# Altium PCB 磁导航.PcbDoc (part 1 of 3)
Units mm, origin at the board's own origin, x right, y up, seen from the top; angles counter-clockwise.
Board outline 190 x 34 mm, 2 copper layers (Top Layer, Bottom Layer); 294 components, 233 nets, 993 pads, 221 vias.
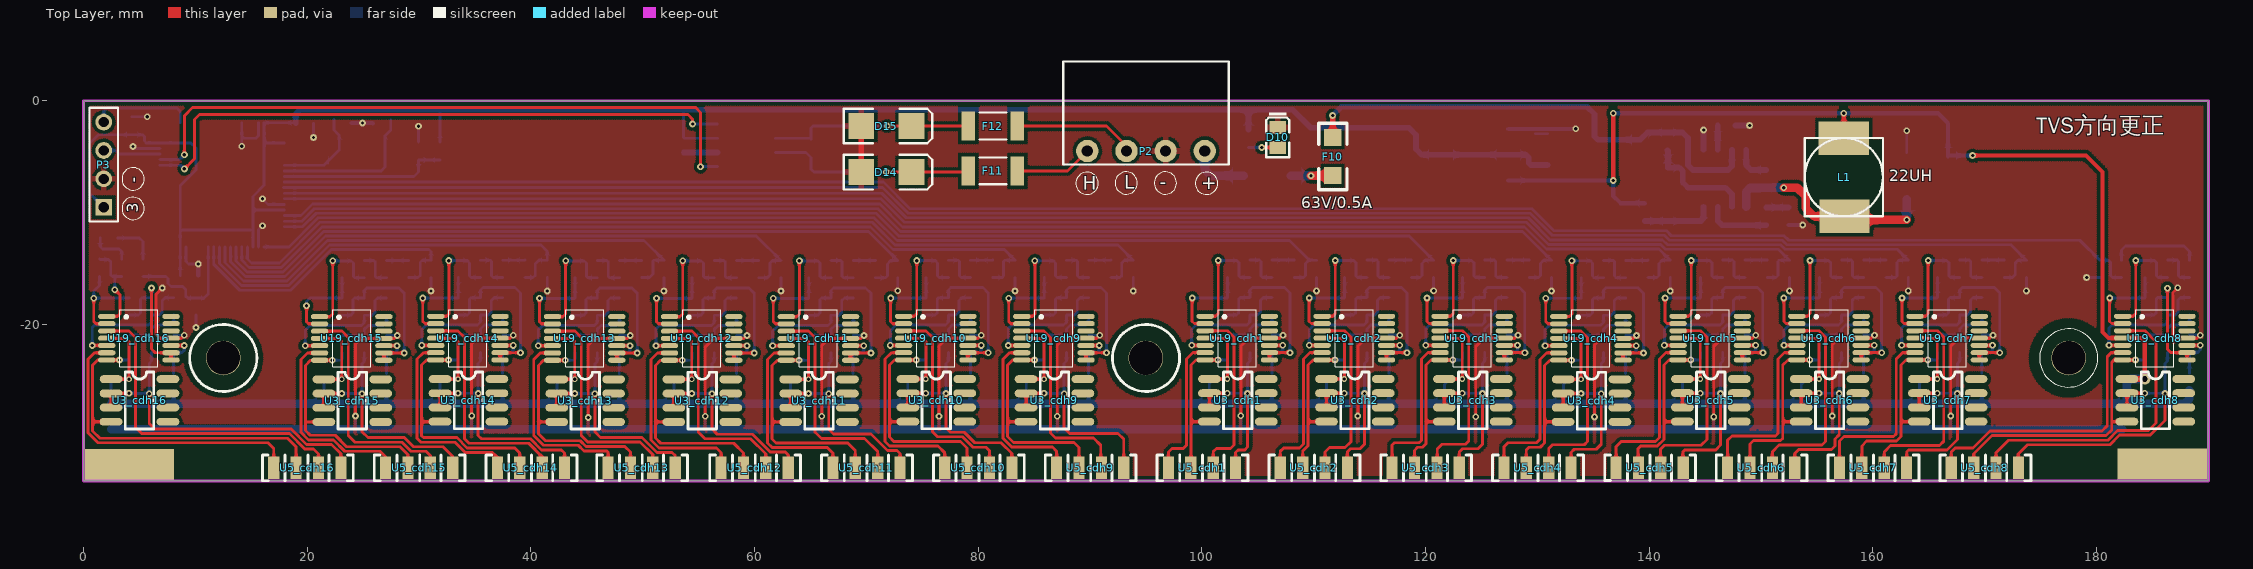
[diagram p0: Top Layer view]
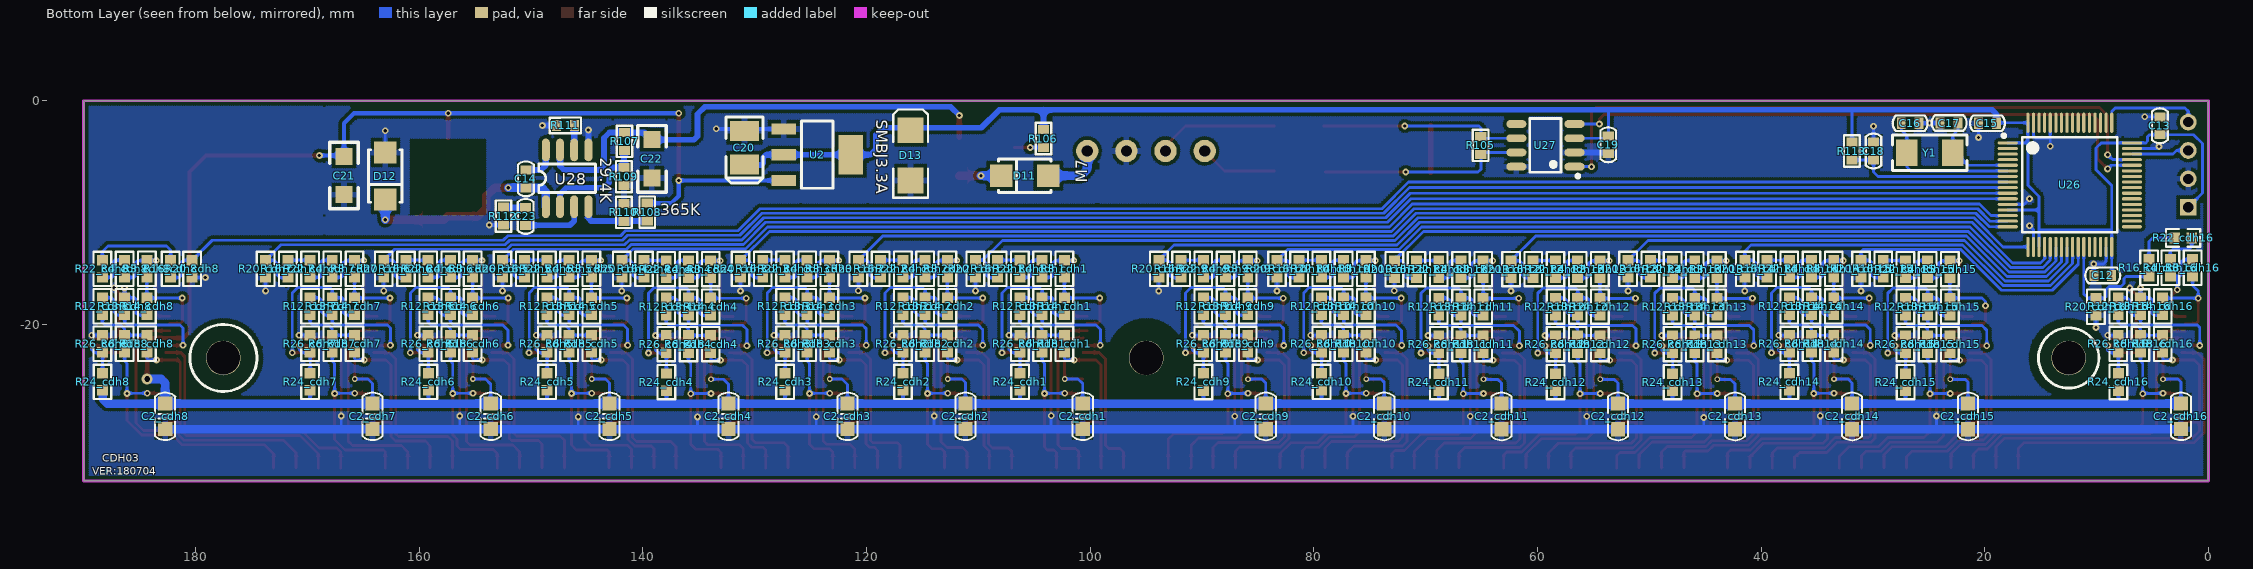
[diagram p1: Bottom Layer view, seen from below]
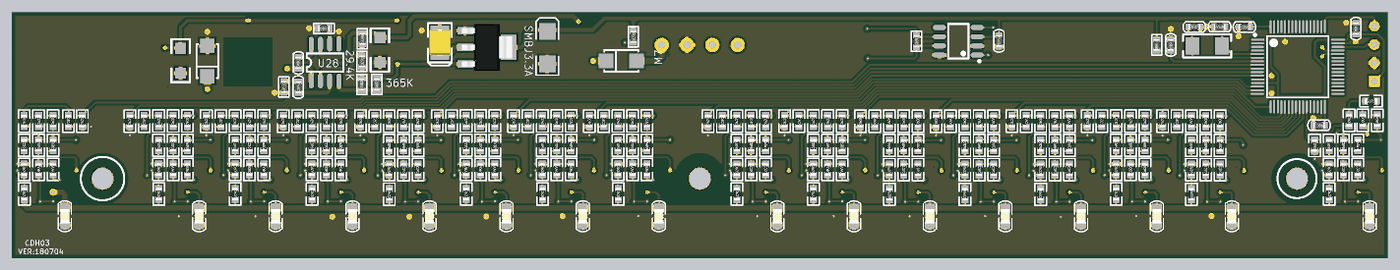
[diagram p4: 3D render of the assembled board from below, using the file's embedded part models]

## Layer stack, top to bottom
Top Layer: signal copper 0.0356
Dielectric: dielectric 0.32, FR-4, Dk 4.8
Bottom Layer: signal copper 0.0356

## Board outline
0,-34 0,0 190,0 190,-34

## Design rules (kind name [scope] priority, off if disabled: settings)
Clearance luosi [HasPad('Free-2')or HasPad('Free-3') vs InPolygon] p1: gap=2
Clearance inpolog [InPolygon] p2: gap=0.3
Clearance Clearance_1 [All] p3: gap=0.152
HoleSize [All] p1: absolutevalues=TRUE maxlimit=6 minlimit=0.025 maxpercent=80.000 minpercent=20.000
MinimumSolderMaskSliver [All] p1: minsoldermaskwidth=0
PolygonConnect PolygonConnect_1 [IsVia] p1: connectstyle=Direct reliefconductorwidth=0.254 reliefentries=4 polygonreliefangle="90 Angle"
PolygonConnect [IsPad] p2: connectstyle=Relief reliefconductorwidth=0.508 reliefentries=4 polygonreliefangle="90 Angle"
RoutingVias [All] p1: holewidth=0.711 width=1.27 viastyle="Through Hole" minholewidth=0.711 minwidth=1.27 maxholewidth=0.711 maxwidth=1.27
SilkToSilkClearance [All] p1: silktosilkclearance=-10
SilkscreenOverComponentPads [IsPad] p1: minsilkscreentomaskgap=-10
SolderMaskExpansion [All] p1: expansion=0.102
Width [All] p1: maxlimit=1.27 minlimit=0.152 preferedwidth=0.254
24 further rules are at their usual default settings.

## Classes and differential pairs
net class CDH[1..16]: CDH1 CDH2 CDH3 CDH4 CDH5 CDH6 CDH7 CDH8 CDH9 CDH10 CDH11 CDH12 CDH13 CDH14 CDH15 CDH16
component class cdh16: C2_cdh16 R3_cdh16 R4_cdh16 R6_cdh16 R12_cdh16 R13_cdh16 R14_cdh16 R16_cdh16 R18_cdh16 R20_cdh16 R22_cdh16 R24_cdh16 R26_cdh16 U3_cdh16 U5_cdh16 U19_cdh16
component class cdh15: C2_cdh15 R3_cdh15 R4_cdh15 R6_cdh15 R12_cdh15 R13_cdh15 R14_cdh15 R16_cdh15 R18_cdh15 R20_cdh15 R22_cdh15 R24_cdh15 R26_cdh15 U3_cdh15 U5_cdh15 U19_cdh15
component class cdh14: C2_cdh14 R3_cdh14 R4_cdh14 R6_cdh14 R12_cdh14 R13_cdh14 R14_cdh14 R16_cdh14 R18_cdh14 R20_cdh14 R22_cdh14 R24_cdh14 R26_cdh14 U3_cdh14 U5_cdh14 U19_cdh14
component class cdh13: C2_cdh13 R3_cdh13 R4_cdh13 R6_cdh13 R12_cdh13 R13_cdh13 R14_cdh13 R16_cdh13 R18_cdh13 R20_cdh13 R22_cdh13 R24_cdh13 R26_cdh13 U3_cdh13 U5_cdh13 U19_cdh13
component class cdh12: C2_cdh12 R3_cdh12 R4_cdh12 R6_cdh12 R12_cdh12 R13_cdh12 R14_cdh12 R16_cdh12 R18_cdh12 R20_cdh12 R22_cdh12 R24_cdh12 R26_cdh12 U3_cdh12 U5_cdh12 U19_cdh12
component class cdh11: C2_cdh11 R3_cdh11 R4_cdh11 R6_cdh11 R12_cdh11 R13_cdh11 R14_cdh11 R16_cdh11 R18_cdh11 R20_cdh11 R22_cdh11 R24_cdh11 R26_cdh11 U3_cdh11 U5_cdh11 U19_cdh11
component class cdh10: C2_cdh10 R3_cdh10 R4_cdh10 R6_cdh10 R12_cdh10 R13_cdh10 R14_cdh10 R16_cdh10 R18_cdh10 R20_cdh10 R22_cdh10 R24_cdh10 R26_cdh10 U3_cdh10 U5_cdh10 U19_cdh10
component class cdh9: C2_cdh9 R3_cdh9 R4_cdh9 R6_cdh9 R12_cdh9 R13_cdh9 R14_cdh9 R16_cdh9 R18_cdh9 R20_cdh9 R22_cdh9 R24_cdh9 R26_cdh9 U3_cdh9 U5_cdh9 U19_cdh9
component class cdh6: C2_cdh6 R3_cdh6 R4_cdh6 R6_cdh6 R12_cdh6 R13_cdh6 R14_cdh6 R16_cdh6 R18_cdh6 R20_cdh6 R22_cdh6 R24_cdh6 R26_cdh6 U3_cdh6 U5_cdh6 U19_cdh6
component class cdh5: C2_cdh5 R3_cdh5 R4_cdh5 R6_cdh5 R12_cdh5 R13_cdh5 R14_cdh5 R16_cdh5 R18_cdh5 R20_cdh5 R22_cdh5 R24_cdh5 R26_cdh5 U3_cdh5 U5_cdh5 U19_cdh5
component class cdh3: C2_cdh3 R3_cdh3 R4_cdh3 R6_cdh3 R12_cdh3 R13_cdh3 R14_cdh3 R16_cdh3 R18_cdh3 R20_cdh3 R22_cdh3 R24_cdh3 R26_cdh3 U3_cdh3 U5_cdh3 U19_cdh3
component class cdh2: C2_cdh2 R3_cdh2 R4_cdh2 R6_cdh2 R12_cdh2 R13_cdh2 R14_cdh2 R16_cdh2 R18_cdh2 R20_cdh2 R22_cdh2 R24_cdh2 R26_cdh2 U3_cdh2 U5_cdh2 U19_cdh2
component class cdh8: C2_cdh8 R3_cdh8 R4_cdh8 R6_cdh8 R12_cdh8 R13_cdh8 R14_cdh8 R16_cdh8 R18_cdh8 R20_cdh8 R22_cdh8 R24_cdh8 R26_cdh8 U3_cdh8 U5_cdh8 U19_cdh8
component class cdh7: C2_cdh7 R3_cdh7 R4_cdh7 R6_cdh7 R12_cdh7 R13_cdh7 R14_cdh7 R16_cdh7 R18_cdh7 R20_cdh7 R22_cdh7 R24_cdh7 R26_cdh7 U3_cdh7 U5_cdh7 U19_cdh7
component class cdh4: C2_cdh4 R3_cdh4 R4_cdh4 R6_cdh4 R12_cdh4 R13_cdh4 R14_cdh4 R16_cdh4 R18_cdh4 R20_cdh4 R22_cdh4 R24_cdh4 R26_cdh4 U3_cdh4 U5_cdh4 U19_cdh4
component class cdh1: C2_cdh1 R3_cdh1 R4_cdh1 R6_cdh1 R12_cdh1 R13_cdh1 R14_cdh1 R16_cdh1 R18_cdh1 R20_cdh1 R22_cdh1 R24_cdh1 R26_cdh1 U3_cdh1 U5_cdh1 U19_cdh1
channel class cdh: "All Components" "Bottom Side Components" cdh1 cdh2 cdh3 cdh4 cdh5 cdh6 cdh7 cdh8 cdh9 cdh10 cdh11 cdh12 cdh13 cdh14 cdh15 cdh16 "Inside Board Components" "Outside Board Components" "Top Side Components" 总图
component class 总图: C12 C13 C14 C15 C16 C17 C18 C19 C20 C21 C22 C23 D10 D11 D12 D13 D14 D15 F10 F11 F12 L1 P2 P3 R105 R106 R107 R108 R109 R110 R111 R112 R113 U2 U26 U27 U28 Y1

## Components (designator, comment, footprint, x,y, rotation, side; value= is the part's Value field where it differs from the comment)
C2_cdh1 "0.1uF" C0805 100.66,-28.219 r90 bottom (schematic designator C2)
C2_cdh2 "0.1uF" C0805 111.15,-28.219 r90 bottom (schematic designator C2)
C2_cdh3 "0.1uF" C0805 121.691,-28.219 r90 bottom (schematic designator C2)
C2_cdh4 "0.1uF" C0805 132.334,-28.219 r90 bottom (schematic designator C2)
C2_cdh5 "0.1uF" C0805 142.977,-28.219 r90 bottom (schematic designator C2)
C2_cdh6 "0.1uF" C0805 153.594,-28.219 r90 bottom (schematic designator C2)
C2_cdh7 "0.1uF" C0805 164.16,-28.219 r90 bottom (schematic designator C2)
C2_cdh8 "0.1uF" C0805 182.702,-28.219 r90 bottom (schematic designator C2)
C2_cdh9 "0.1uF" C0805 84.291,-28.224 r90 bottom (schematic designator C2)
C2_cdh10 "0.1uF" C0805 73.699,-28.224 r90 bottom (schematic designator C2)
C2_cdh11 "0.1uF" C0805 63.209,-28.224 r90 bottom (schematic designator C2)
C2_cdh12 "0.1uF" C0805 52.795,-28.224 r90 bottom (schematic designator C2)
C2_cdh13 "0.1uF" C0805 42.33,-28.224 r90 bottom (schematic designator C2)
C2_cdh14 "0.1uF" C0805 31.866,-28.224 r90 bottom (schematic designator C2)
C2_cdh15 "0.1uF" C0805 21.502,-28.224 r90 bottom (schematic designator C2)
C2_cdh16 "0.1uF" C0805 2.464,-28.219 r90 bottom (schematic designator C2)
C12 "104" 0603-CAP 9.449,-15.621 r0 bottom
C13 "104" 0603-CAP 4.343,-2.235 r90 bottom
C14 "0.1uF" 0603-CAP 150.444,-6.985 r90 bottom
C15 "104" 0603-CAP 19.761,-2.016 r0 bottom
C16 "22p" 0603-CAP 26.67,-2.016 r180 bottom
C17 "22p" 0603-CAP 23.189,-1.99 r0 bottom
C18 "0.1uF" 0603-CAP 29.947,-4.496 r270 bottom
C19 "0.1uF" 0603-CAP 53.67,-3.937 r270 bottom
C20 "100uF (107) ±10% 6.3V" CASE-B_3528 130.901,-4.191 r270 bottom
C21 "0.1uF" 1206 166.726,-8.407 r90 bottom
C22 "0.1uF" 1206 139.167,-3.48 r270 bottom
C23 "0.1uF" 0603-CAP 150.47,-10.338 r270 bottom
D10 "LED0" LC-0805_LED_S1 106.782,-4.166 r270 top
D11 "M7" SMA(DO-214AC)_S1 105.842,-6.706 r180 bottom
D12 "SS54" SMA(DO-214AC)_S1 163.017,-6.731 r90 bottom
D13 "SMBJ3.3A" SMB 116.053,-4.877 r90 bottom
D14 "D Schottky" SMB 71.78,-6.375 r0 top
D15 "D Schottky" SMB 71.78,-2.261 r0 top
F10 "63V/0.5A" 1206 111.684,-6.706 r90 top
F11 "Fuse" 12Z-2010 81.305,-6.274 r180 top
F12 "Fuse" 12Z-2010 81.305,-2.261 r180 top
L1 "22UH" L-7*7*4mm-S 153.899,-10.338 r90 top
P2 "Header 4" DZ-4-3.5 100.254,-4.496 r180 top
P3 "Header 4" HDR1X4 1.803,-9.525 r90 top
R3_cdh1 "200K" 0603_R 102.299,-15.025 r90 bottom (schematic designator R3)
R3_cdh2 "200K" 0603_R 112.764,-15.025 r90 bottom (schematic designator R3)
R3_cdh3 "200K" 0603_R 123.305,-15.025 r90 bottom (schematic designator R3)
R3_cdh4 "200K" 0603_R 133.922,-15.05 r90 bottom (schematic designator R3)
R3_cdh5 "200K" 0603_R 144.59,-15.025 r90 bottom (schematic designator R3)
R3_cdh6 "200K" 0603_R 155.208,-15.025 r90 bottom (schematic designator R3)
R3_cdh7 "200K" 0603_R 165.774,-15.025 r90 bottom (schematic designator R3)
R3_cdh8 "200K" 0603_R 184.341,-15.025 r90 bottom (schematic designator R3)
R3_cdh9 "200K" 0603_R 85.903,-15.037 r90 bottom (schematic designator R3)
R3_cdh10 "200K" 0603_R 75.339,-15.03 r90 bottom (schematic designator R3)
R3_cdh11 "200K" 0603_R 64.848,-15.055 r90 bottom (schematic designator R3)
R3_cdh12 "200K" 0603_R 54.409,-15.055 r90 bottom (schematic designator R3)
R3_cdh13 "200K" 0603_R 43.944,-15.055 r90 bottom (schematic designator R3)
R3_cdh14 "200K" 0603_R 33.505,-15.03 r90 bottom (schematic designator R3)
R3_cdh15 "200K" 0603_R 23.116,-15.055 r90 bottom (schematic designator R3)
R3_cdh16 "200K" 0603_R 1.422,-14.935 r90 bottom (schematic designator R3)
R4_cdh1 "3K" 0603_R 104.287,-15.025 r90 bottom (schematic designator R4)
R4_cdh2 "3K" 0603_R 114.752,-15.025 r90 bottom (schematic designator R4)
R4_cdh3 "3K" 0603_R 125.293,-15.025 r90 bottom (schematic designator R4)
R4_cdh4 "3K" 0603_R 135.91,-15.05 r90 bottom (schematic designator R4)
R4_cdh5 "3K" 0603_R 146.578,-15.025 r90 bottom (schematic designator R4)
R4_cdh6 "3K" 0603_R 157.195,-15.025 r90 bottom (schematic designator R4)
R4_cdh7 "3K" 0603_R 167.762,-15.025 r90 bottom (schematic designator R4)
R4_cdh8 "3K" 0603_R 186.329,-15.037 r90 bottom (schematic designator R4)
R4_cdh9 "3K" 0603_R 87.89,-15.037 r90 bottom (schematic designator R4)
R4_cdh10 "3K" 0603_R 77.326,-15.03 r90 bottom (schematic designator R4)
R4_cdh11 "3K" 0603_R 66.836,-15.055 r90 bottom (schematic designator R4)
R4_cdh12 "3K" 0603_R 56.397,-15.055 r90 bottom (schematic designator R4)
R4_cdh13 "3K" 0603_R 45.932,-15.055 r90 bottom (schematic designator R4)
R4_cdh14 "3K" 0603_R 35.492,-15.03 r90 bottom (schematic designator R4)
R4_cdh15 "3K" 0603_R 25.104,-15.055 r90 bottom (schematic designator R4)
R4_cdh16 "3K" 0603_R 3.41,-14.935 r90 bottom (schematic designator R4)
R6_cdh1 "10K" 0603_R 104.287,-21.731 r90 bottom (schematic designator R6)
R6_cdh2 "10K" 0603_R 114.752,-21.731 r90 bottom (schematic designator R6)
R6_cdh3 "10K" 0603_R 125.293,-21.731 r90 bottom (schematic designator R6)
R6_cdh4 "10K" 0603_R 135.91,-21.756 r90 bottom (schematic designator R6)
R6_cdh5 "10K" 0603_R 146.578,-21.731 r90 bottom (schematic designator R6)
R6_cdh6 "10K" 0603_R 157.195,-21.731 r90 bottom (schematic designator R6)
R6_cdh7 "10K" 0603_R 167.762,-21.731 r90 bottom (schematic designator R6)
R6_cdh8 "10K" 0603_R 186.329,-21.731 r90 bottom (schematic designator R6)
R6_cdh9 "10K" 0603_R 87.89,-21.742 r90 bottom (schematic designator R6)
R6_cdh10 "10K" 0603_R 77.326,-21.736 r90 bottom (schematic designator R6)
R6_cdh11 "10K" 0603_R 66.836,-21.761 r90 bottom (schematic designator R6)
R6_cdh12 "10K" 0603_R 56.397,-21.761 r90 bottom (schematic designator R6)
R6_cdh13 "10K" 0603_R 45.932,-21.761 r90 bottom (schematic designator R6)
R6_cdh14 "10K" 0603_R 35.492,-21.736 r90 bottom (schematic designator R6)
R6_cdh15 "10K" 0603_R 25.104,-21.761 r90 bottom (schematic designator R6)
R6_cdh16 "10K" 0603_R 6.077,-21.742 r90 bottom (schematic designator R6)
R12_cdh1 "30K" 0603_R 106.274,-18.378 r90 bottom (schematic designator R12)
R12_cdh2 "30K" 0603_R 116.739,-18.378 r90 bottom (schematic designator R12)
R12_cdh3 "30K" 0603_R 127.28,-18.378 r90 bottom (schematic designator R12)
R12_cdh4 "30K" 0603_R 137.897,-18.403 r90 bottom (schematic designator R12)
R12_cdh5 "30K" 0603_R 148.565,-18.378 r90 bottom (schematic designator R12)
R12_cdh6 "30K" 0603_R 159.183,-18.378 r90 bottom (schematic designator R12)
R12_cdh7 "30K" 0603_R 169.749,-18.378 r90 bottom (schematic designator R12)
R12_cdh8 "30K" 0603_R 188.316,-18.378 r90 bottom (schematic designator R12)
R12_cdh9 "30K" 0603_R 89.878,-18.39 r90 bottom (schematic designator R12)
R12_cdh10 "30K" 0603_R 79.314,-18.383 r90 bottom (schematic designator R12)
R12_cdh11 "30K" 0603_R 68.823,-18.408 r90 bottom (schematic designator R12)
R12_cdh12 "30K" 0603_R 58.384,-18.408 r90 bottom (schematic designator R12)
R12_cdh13 "30K" 0603_R 47.919,-18.408 r90 bottom (schematic designator R12)
R12_cdh14 "30K" 0603_R 37.48,-18.383 r90 bottom (schematic designator R12)
R12_cdh15 "30K" 0603_R 27.091,-18.408 r90 bottom (schematic designator R12)
R12_cdh16 "30K" 0603_R 8.064,-18.39 r90 bottom (schematic designator R12)
R13_cdh1 "1K" 0603_R 104.287,-18.378 r90 bottom (schematic designator R13)
R13_cdh2 "1K" 0603_R 114.752,-18.378 r90 bottom (schematic designator R13)
R13_cdh3 "1K" 0603_R 125.293,-18.378 r90 bottom (schematic designator R13)
R13_cdh4 "1K" 0603_R 135.91,-18.403 r90 bottom (schematic designator R13)
R13_cdh5 "1K" 0603_R 146.578,-18.378 r90 bottom (schematic designator R13)
R13_cdh6 "1K" 0603_R 157.195,-18.378 r90 bottom (schematic designator R13)
R13_cdh7 "1K" 0603_R 167.762,-18.378 r90 bottom (schematic designator R13)
R13_cdh8 "1K" 0603_R 186.329,-18.378 r90 bottom (schematic designator R13)
R13_cdh9 "1K" 0603_R 87.89,-18.39 r90 bottom (schematic designator R13)
R13_cdh10 "1K" 0603_R 77.326,-18.383 r90 bottom (schematic designator R13)
R13_cdh11 "1K" 0603_R 66.836,-18.408 r90 bottom (schematic designator R13)
R13_cdh12 "1K" 0603_R 56.397,-18.408 r90 bottom (schematic designator R13)
R13_cdh13 "1K" 0603_R 45.932,-18.408 r90 bottom (schematic designator R13)
R13_cdh14 "1K" 0603_R 35.492,-18.383 r90 bottom (schematic designator R13)
R13_cdh15 "1K" 0603_R 25.104,-18.408 r90 bottom (schematic designator R13)
R13_cdh16 "1K" 0603_R 6.077,-18.39 r90 bottom (schematic designator R13)
R14_cdh1 "1K" 0603_R 102.299,-18.378 r270 bottom (schematic designator R14)
R14_cdh2 "1K" 0603_R 112.764,-18.378 r270 bottom (schematic designator R14)
R14_cdh3 "1K" 0603_R 123.305,-18.378 r270 bottom (schematic designator R14)
R14_cdh4 "1K" 0603_R 133.922,-18.403 r270 bottom (schematic designator R14)
R14_cdh5 "1K" 0603_R 144.59,-18.378 r270 bottom (schematic designator R14)
R14_cdh6 "1K" 0603_R 155.208,-18.378 r270 bottom (schematic designator R14)
R14_cdh7 "1K" 0603_R 165.774,-18.378 r270 bottom (schematic designator R14)
R14_cdh8 "1K" 0603_R 184.341,-18.378 r270 bottom (schematic designator R14)
R14_cdh9 "1K" 0603_R 85.903,-18.39 r270 bottom (schematic designator R14)
R14_cdh10 "1K" 0603_R 75.339,-18.383 r270 bottom (schematic designator R14)
R14_cdh11 "1K" 0603_R 64.848,-18.408 r270 bottom (schematic designator R14)
R14_cdh12 "1K" 0603_R 54.409,-18.408 r270 bottom (schematic designator R14)
R14_cdh13 "1K" 0603_R 43.944,-18.408 r270 bottom (schematic designator R14)
R14_cdh14 "1K" 0603_R 33.505,-18.383 r270 bottom (schematic designator R14)
R14_cdh15 "1K" 0603_R 23.116,-18.408 r270 bottom (schematic designator R14)
R14_cdh16 "1K" 0603_R 4.089,-18.39 r270 bottom (schematic designator R14)
R16_cdh1 "4.7K" 0603_R 108.262,-15.037 r270 bottom (schematic designator R16)
R16_cdh2 "4.7K" 0603_R 118.727,-15.037 r270 bottom (schematic designator R16)
R16_cdh3 "4.7K" 0603_R 129.268,-15.037 r270 bottom (schematic designator R16)
R16_cdh4 "4.7K" 0603_R 139.885,-15.037 r270 bottom (schematic designator R16)
R16_cdh5 "4.7K" 0603_R 150.553,-15.037 r270 bottom (schematic designator R16)
R16_cdh6 "4.7K" 0603_R 161.17,-15.037 r270 bottom (schematic designator R16)
R16_cdh7 "4.7K" 0603_R 171.737,-15.037 r270 bottom (schematic designator R16)
R16_cdh8 "4.7K" 0603_R 182.22,-15.037 r270 bottom (schematic designator R16)
R16_cdh9 "4.7K" 0603_R 91.865,-15.037 r270 bottom (schematic designator R16)
R16_cdh10 "4.7K" 0603_R 81.301,-15.037 r270 bottom (schematic designator R16)
R16_cdh11 "4.7K" 0603_R 70.815,-15.062 r270 bottom (schematic designator R16)
R16_cdh12 "4.7K" 0603_R 60.376,-15.062 r270 bottom (schematic designator R16)
R16_cdh13 "4.7K" 0603_R 49.907,-15.037 r270 bottom (schematic designator R16)
R16_cdh14 "4.7K" 0603_R 39.467,-15.037 r270 bottom (schematic designator R16)
R16_cdh15 "4.7K" 0603_R 29.079,-15.037 r270 bottom (schematic designator R16)
R16_cdh16 "4.7K" 0603_R 5.309,-14.935 r270 bottom (schematic designator R16)
R18_cdh1 "10K" 0603_R 102.299,-21.731 r90 bottom (schematic designator R18)
R18_cdh2 "10K" 0603_R 112.764,-21.731 r90 bottom (schematic designator R18)
R18_cdh3 "10K" 0603_R 123.305,-21.731 r90 bottom (schematic designator R18)
R18_cdh4 "10K" 0603_R 133.922,-21.756 r90 bottom (schematic designator R18)
R18_cdh5 "10K" 0603_R 144.59,-21.731 r90 bottom (schematic designator R18)
R18_cdh6 "10K" 0603_R 155.208,-21.731 r90 bottom (schematic designator R18)
R18_cdh7 "10K" 0603_R 165.774,-21.731 r90 bottom (schematic designator R18)
R18_cdh8 "10K" 0603_R 184.341,-21.731 r90 bottom (schematic designator R18)
R18_cdh9 "10K" 0603_R 85.903,-21.742 r90 bottom (schematic designator R18)
R18_cdh10 "10K" 0603_R 75.339,-21.736 r90 bottom (schematic designator R18)
R18_cdh11 "10K" 0603_R 64.848,-21.761 r90 bottom (schematic designator R18)
R18_cdh12 "10K" 0603_R 54.409,-21.761 r90 bottom (schematic designator R18)
R18_cdh13 "10K" 0603_R 43.944,-21.761 r90 bottom (schematic designator R18)
R18_cdh14 "10K" 0603_R 33.505,-21.736 r90 bottom (schematic designator R18)
R18_cdh15 "10K" 0603_R 23.116,-21.761 r90 bottom (schematic designator R18)
R18_cdh16 "10K" 0603_R 4.089,-21.742 r90 bottom (schematic designator R18)
R20_cdh1 "4.7K" 0603_R 110.25,-15.037 r90 bottom (schematic designator R20)
R20_cdh2 "4.7K" 0603_R 120.714,-15.037 r90 bottom (schematic designator R20)
R20_cdh3 "4.7K" 0603_R 131.255,-15.037 r90 bottom (schematic designator R20)
R20_cdh4 "4.7K" 0603_R 141.873,-15.037 r90 bottom (schematic designator R20)
R20_cdh5 "4.7K" 0603_R 152.541,-15.037 r90 bottom (schematic designator R20)
R20_cdh6 "4.7K" 0603_R 163.158,-15.037 r90 bottom (schematic designator R20)
R20_cdh7 "4.7K" 0603_R 173.724,-15.037 r90 bottom (schematic designator R20)
R20_cdh8 "4.7K" 0603_R 180.289,-15.037 r90 bottom (schematic designator R20)
R20_cdh9 "4.7K" 0603_R 93.853,-15.037 r90 bottom (schematic designator R20)
R20_cdh10 "4.7K" 0603_R 83.289,-15.037 r90 bottom (schematic designator R20)
R20_cdh11 "4.7K" 0603_R 72.796,-15.062 r90 bottom (schematic designator R20)
R20_cdh12 "4.7K" 0603_R 62.357,-15.062 r90 bottom (schematic designator R20)
R20_cdh13 "4.7K" 0603_R 51.894,-15.037 r90 bottom (schematic designator R20)
R20_cdh14 "4.7K" 0603_R 41.455,-15.037 r90 bottom (schematic designator R20)
R20_cdh15 "4.7K" 0603_R 31.066,-15.037 r90 bottom (schematic designator R20)
R20_cdh16 "4.7K" 0603_R 10.058,-18.419 r90 bottom (schematic designator R20)
R22_cdh1 "4.7K" 0603_R 106.274,-15.025 r90 bottom (schematic designator R22)
R22_cdh2 "4.7K" 0603_R 116.739,-15.025 r90 bottom (schematic designator R22)
R22_cdh3 "4.7K" 0603_R 127.28,-15.025 r90 bottom (schematic designator R22)
R22_cdh4 "4.7K" 0603_R 137.897,-15.05 r90 bottom (schematic designator R22)
R22_cdh5 "4.7K" 0603_R 148.565,-15.025 r90 bottom (schematic designator R22)
R22_cdh6 "4.7K" 0603_R 159.183,-15.025 r90 bottom (schematic designator R22)
R22_cdh7 "4.7K" 0603_R 169.749,-15.025 r90 bottom (schematic designator R22)
R22_cdh8 "4.7K" 0603_R 188.316,-15.037 r90 bottom (schematic designator R22)
R22_cdh9 "4.7K" 0603_R 89.878,-15.037 r90 bottom (schematic designator R22)
R22_cdh10 "4.7K" 0603_R 79.314,-15.03 r90 bottom (schematic designator R22)
R22_cdh11 "4.7K" 0603_R 68.823,-15.055 r90 bottom (schematic designator R22)
R22_cdh12 "4.7K" 0603_R 58.384,-15.055 r90 bottom (schematic designator R22)
R22_cdh13 "4.7K" 0603_R 47.919,-15.055 r90 bottom (schematic designator R22)
R22_cdh14 "4.7K" 0603_R 37.48,-15.03 r90 bottom (schematic designator R22)
R22_cdh15 "4.7K" 0603_R 27.091,-15.055 r90 bottom (schematic designator R22)
R22_cdh16 "4.7K" 0603_R 2.261,-12.268 r0 bottom (schematic designator R22)
R24_cdh1 "10K" 0603_R 106.262,-25.134 r270 bottom (schematic designator R24)
R24_cdh2 "10K" 0603_R 116.727,-25.134 r270 bottom (schematic designator R24)
R24_cdh3 "10K" 0603_R 127.268,-25.134 r270 bottom (schematic designator R24)
R24_cdh4 "10K" 0603_R 137.885,-25.16 r270 bottom (schematic designator R24)
R24_cdh5 "10K" 0603_R 148.553,-25.134 r270 bottom (schematic designator R24)
R24_cdh6 "10K" 0603_R 159.17,-25.134 r270 bottom (schematic designator R24)
R24_cdh7 "10K" 0603_R 169.736,-25.134 r270 bottom (schematic designator R24)
R24_cdh8 "10K" 0603_R 188.304,-25.134 r270 bottom (schematic designator R24)
R24_cdh9 "10K" 0603_R 89.865,-25.146 r270 bottom (schematic designator R24)
R24_cdh10 "10K" 0603_R 79.301,-25.139 r270 bottom (schematic designator R24)
R24_cdh11 "10K" 0603_R 68.811,-25.165 r270 bottom (schematic designator R24)
R24_cdh12 "10K" 0603_R 58.371,-25.165 r270 bottom (schematic designator R24)
R24_cdh13 "10K" 0603_R 47.907,-25.165 r270 bottom (schematic designator R24)
R24_cdh14 "10K" 0603_R 37.467,-25.139 r270 bottom (schematic designator R24)
R24_cdh15 "10K" 0603_R 27.079,-25.165 r270 bottom (schematic designator R24)
R24_cdh16 "10K" 0603_R 8.052,-25.146 r270 bottom (schematic designator R24)
R26_cdh1 "10K" 0603_R 106.274,-21.731 r270 bottom (schematic designator R26)
R26_cdh2 "10K" 0603_R 116.739,-21.731 r270 bottom (schematic designator R26)
R26_cdh3 "10K" 0603_R 127.28,-21.731 r270 bottom (schematic designator R26)
R26_cdh4 "10K" 0603_R 137.897,-21.756 r270 bottom (schematic designator R26)
R26_cdh5 "10K" 0603_R 148.565,-21.731 r270 bottom (schematic designator R26)
R26_cdh6 "10K" 0603_R 159.183,-21.731 r270 bottom (schematic designator R26)
R26_cdh7 "10K" 0603_R 169.749,-21.731 r270 bottom (schematic designator R26)
R26_cdh8 "10K" 0603_R 188.316,-21.731 r270 bottom (schematic designator R26)
R26_cdh9 "10K" 0603_R 89.878,-21.742 r270 bottom (schematic designator R26)
R26_cdh10 "10K" 0603_R 79.314,-21.736 r270 bottom (schematic designator R26)
R26_cdh11 "10K" 0603_R 68.823,-21.761 r270 bottom (schematic designator R26)
R26_cdh12 "10K" 0603_R 58.384,-21.761 r270 bottom (schematic designator R26)
R26_cdh13 "10K" 0603_R 47.919,-21.761 r270 bottom (schematic designator R26)
R26_cdh14 "10K" 0603_R 37.48,-21.736 r270 bottom (schematic designator R26)
R26_cdh15 "10K" 0603_R 27.091,-21.761 r270 bottom (schematic designator R26)
R26_cdh16 "10K" 0603_R 8.064,-21.742 r270 bottom (schematic designator R26)
R105 "120R" 0603 65.075,-3.988 r270 bottom
R106 "1k" 0603 104.165,-3.378 r270 bottom
R107 "100K" 0603 141.63,-3.632 r270 bottom
R108 "365K" 0603 139.598,-9.957 r90 bottom
R109 "29.4K" 0603 141.681,-6.782 r270 bottom
R110 "40.2K" 0603 141.681,-9.982 r90 bottom
R111 "200K" 0603 146.914,-2.21 r0 bottom
R112 "100K" 0603 152.451,-10.312 r270 bottom
R113 "10K" 0603 31.877,-4.496 r90 bottom
U2 "AMS1117-3.3" SOT-223 124.398,-4.826 r0 bottom
U3_cdh1 "LM317" SO-8 100.674,-24.88 r0 top (schematic designator U3)
U3_cdh2 "LM317" SO-8 111.139,-24.88 r0 top (schematic designator U3)
U3_cdh3 "LM317" SO-8 121.68,-24.88 r0 top (schematic designator U3)
U3_cdh4 "LM317" SO-8 132.297,-24.906 r0 top (schematic designator U3)
U3_cdh5 "LM317" SO-8 142.965,-24.88 r0 top (schematic designator U3)
U3_cdh6 "LM317" SO-8 153.582,-24.88 r0 top (schematic designator U3)
U3_cdh7 "LM317" SO-8 164.148,-24.88 r0 top (schematic designator U3)
U3_cdh8 "LM317" SO-8 182.716,-24.88 r0 top (schematic designator U3)
U3_cdh9 "LM317" SO-8 84.277,-24.892 r0 top (schematic designator U3)
U3_cdh10 "LM317" SO-8 73.713,-24.885 r0 top (schematic designator U3)
U3_cdh11 "LM317" SO-8 63.223,-24.911 r0 top (schematic designator U3)
U3_cdh12 "LM317" SO-8 52.783,-24.911 r0 top (schematic designator U3)
U3_cdh13 "LM317" SO-8 42.319,-24.911 r0 top (schematic designator U3)
U3_cdh14 "LM317" SO-8 31.879,-24.885 r0 top (schematic designator U3)
U3_cdh15 "LM317" SO-8 21.491,-24.911 r0 top (schematic designator U3)
U3_cdh16 "LM317" SO-8 2.464,-24.892 r0 top (schematic designator U3)
U5_cdh1 "Header 4" PIN4 97.007,-32.832 r0 top (schematic designator U5)
U5_cdh2 "Header 4" PIN4 107.01,-32.829 r0 top (schematic designator U5)
U5_cdh3 "Header 4" PIN4 117.007,-32.832 r0 top (schematic designator U5)
U5_cdh4 "Header 4" PIN4 127.007,-32.832 r0 top (schematic designator U5)
U5_cdh5 "Header 4" PIN4 137.033,-32.806 r0 top (schematic designator U5)
U5_cdh6 "Header 4" PIN4 147.007,-32.832 r0 top (schematic designator U5)
U5_cdh7 "Header 4" PIN4 157.007,-32.832 r0 top (schematic designator U5)
U5_cdh8 "Header 4" PIN4 167.007,-32.832 r0 top (schematic designator U5)
U5_cdh9 "Header 4" PIN4 87.007,-32.832 r0 top (schematic designator U5)
U5_cdh10 "Header 4" PIN4 77.007,-32.832 r0 top (schematic designator U5)
U5_cdh11 "Header 4" PIN4 67.007,-32.832 r0 top (schematic designator U5)
U5_cdh12 "Header 4" PIN4 57.007,-32.832 r0 top (schematic designator U5)
U5_cdh13 "Header 4" PIN4 46.903,-32.832 r0 top (schematic designator U5)
U5_cdh14 "Header 4" PIN4 37.007,-32.832 r0 top (schematic designator U5)
U5_cdh15 "Header 4" PIN4 27.007,-32.832 r0 top (schematic designator U5)
U5_cdh16 "Header 4" PIN4 17.007,-32.832 r0 top (schematic designator U5)
U19_cdh1 "TLC2264" TSSOP14 103.163,-21.223 r0 top (schematic designator U19)
U19_cdh2 "TLC2264" TSSOP14 113.628,-21.223 r0 top (schematic designator U19)
U19_cdh3 "TLC2264" TSSOP14 124.169,-21.223 r0 top (schematic designator U19)
U19_cdh4 "TLC2264" TSSOP14 134.786,-21.248 r0 top (schematic designator U19)
U19_cdh5 "TLC2264" TSSOP14 145.454,-21.223 r0 top (schematic designator U19)
U19_cdh6 "TLC2264" TSSOP14 156.071,-21.223 r0 top (schematic designator U19)
U19_cdh7 "TLC2264" TSSOP14 166.638,-21.223 r0 top (schematic designator U19)
U19_cdh8 "TLC2264" TSSOP14 185.205,-21.223 r0 top (schematic designator U19)
U19_cdh9 "TLC2264" TSSOP14 86.766,-21.234 r0 top (schematic designator U19)
U19_cdh10 "TLC2264" TSSOP14 76.202,-21.228 r0 top (schematic designator U19)
U19_cdh11 "TLC2264" TSSOP14 65.712,-21.253 r0 top (schematic designator U19)
U19_cdh12 "TLC2264" TSSOP14 55.273,-21.253 r0 top (schematic designator U19)
U19_cdh13 "TLC2264" TSSOP14 44.808,-21.253 r0 top (schematic designator U19)
U19_cdh14 "TLC2264" TSSOP14 34.368,-21.228 r0 top (schematic designator U19)
U19_cdh15 "TLC2264" TSSOP14 23.98,-21.253 r0 top (schematic designator U19)
U19_cdh16 "TLC2264" TSSOP14 4.953,-21.234 r0 top (schematic designator U19)
U26 "STM32F103RBT6" LQFP-64_10x10x05P 12.395,-7.518 r270 bottom
U27 "CAN/SN65HVD230DR" SOIC-8_150mil 59.284,-3.988 r90 bottom
U28 "MP1584" SO-8 148.666,-9.474 r90 bottom
Y1 "8MHz ±20ppm 20pF" SMD-5032_2P 24.917,-4.648 r180 bottom

## Footprints (in the part's own frame and the unit in brackets; to place one, negate y for a bottom-side part, rotate by r counter-clockwise, add the part's x,y. Pads: shape width x height; smd on the part's side, far side on the other; paste and mask are expansions set on the pad)
12Z-2010 [mm] "Chip Resistor, Body 5.0x2.5mm, IPC High Densi"
  rect 1.2x2.6 smd: 1(-2.2,0) 2(2.2,0)
  silkscreen extent -1.2,-1.2 1.2,1.2, body extent -2.58,-1.33 2.58,1.33, height 0.9
0603 [mm]
  rect 0.8x1 smd: 1(-0.8,0) 2(0.8,0)
  silkscreen extent -1.4,-0.7 1.4,0.7, body extent -0.8,-0.37 0.8,0.43, height 0.45
0603-CAP [mm]
  rect 0.8x1 smd: 1(-0.8,0) 2(0.8,0)
  silkscreen extent -1.56,-0.7 1.56,0.7, body extent -0.8,-0.37 0.8,0.43, height 0.45
0603_R [mm]
  rect 0.93x0.98 smd: 1(-0.77,0) 2(0.77,0)
  silkscreen extent -1.53,-0.79 1.54,0.79, body extent -0.85,-0.4 0.85,0.4, height 0.56
1206 [mil]
  rect 60x60 smd: 1(0.22,-0.6) 2(135.22,-0.6)
  silkscreen extent -50,-51 185,49
C0805 [mil]
  rect 50x50 smd: 1(-45,0) 2(45,0)
  silkscreen extent -84,-36 84,36, body extent -39,-25 40,24, height 20
CASE-B_3528 [mm]
  rect 1.8x2.6 smd: 1(1.5,0) 2(-1.5,0)
  silkscreen extent -2.73,-1.65 3.16,1.65, body extent -1.85,-1.47 1.85,1.46, height 2.03
DZ-4-3.5 [mm]
  round 2 hole 1: 1(0,0) 2(3.5,0) 3(7,0) 4(10.5,0)
  silkscreen extent -2.15,-8 12.65,1.2
HDR1X4 [mm] "Co"
  rect 1.5x1.5 hole 0.9: 1(0,0)
  round 1.5 hole 0.9: 2(2.54,0) 3(5.08,0) 4(7.62,0)
  silkscreen extent -1.27,-1.27 8.89,1.27
L-7*7*4mm-S [mm]
  rect 3x4.5 smd: 1(0,-3.556) 2(7,-3.5)
  silkscreen extent 0,-7 7,0
LC-0805_LED_S1 [mm]
  rect 1.16x1.47 smd: A(0.001,0) K(-1.779,0)
  silkscreen extent -3.13,-1.04 0.88,1.03, body extent -1.9,-0.62 0.12,0.62, height 1.1
LQFP-64_10x10x05P [mm]
  oval 0.28x1.8 smd mask+0.051: 1(-3.75,-5.55) 2(-3.25,-5.55) 3(-2.75,-5.55) 4(-2.25,-5.55) 5(-1.75,-5.55) 6(-1.25,-5.55) 7(-0.75,-5.55) 8(-0.25,-5.55) 9(0.25,-5.55) 10(0.75,-5.55) 11(1.25,-5.55) 12(1.75,-5.55) 13(2.25,-5.55) 14(2.75,-5.55) 15(3.25,-5.55) 16(3.75,-5.55) 33(3.75,5.55) 34(3.25,5.55) 35(2.75,5.55) 36(2.25,5.55) 37(1.75,5.55) 38(1.25,5.55) 39(0.75,5.55) 40(0.25,5.55) 41(-0.25,5.55) 42(-0.75,5.55) 43(-1.25,5.55) 44(-1.75,5.55) 45(-2.25,5.55) 46(-2.75,5.55) 47(-3.25,5.55) 48(-3.75,5.55)
  oval 1.8x0.28 smd mask+0.051: 17(5.55,-3.75) 18(5.55,-3.25) 19(5.55,-2.75) 20(5.55,-2.25) 21(5.55,-1.75) 22(5.55,-1.25) 23(5.55,-0.75) 24(5.55,-0.25) 25(5.55,0.25) 26(5.55,0.75) 27(5.55,1.25) 28(5.55,1.75) 29(5.55,2.25) 30(5.55,2.75) 31(5.55,3.25) 32(5.55,3.75) 49(-5.55,3.75) 50(-5.55,3.25) 51(-5.55,2.75) 52(-5.55,2.25) 53(-5.55,1.75) 54(-5.55,1.25) 55(-5.55,0.75) 56(-5.55,0.25) 57(-5.55,-0.25) 58(-5.55,-0.75) 59(-5.55,-1.25) 60(-5.55,-1.75) 61(-5.55,-2.25) 62(-5.55,-2.75) 63(-5.55,-3.25) 64(-5.55,-3.75)
  silkscreen extent -4.55,-6.05 4.25,4.25
PIN4 [mm]
  rect 1x2 smd: 1(0,0) 2(2,0) 3(4,0) 4(6,0)
  silkscreen extent -1.02,-1.14 7.11,1.14
SMA(DO-214AC)_S1 [mm]
  rect 2x2 smd: 1(2.1,0) 2(-2.1,0)
  silkscreen extent -2.35,-1.5 2.35,1.5
SMB [mm] "DO-214-AA/SMB; 2 C-Bend Leads; Body 5.3 x 3.6 mm, inc. leads (LxW"
  rect 2.3x2.3 smd: 1(-2.25,0) 2(2.25,0)
  silkscreen extent -3.8,-1.55 4.1,1.55
SMD-5032_2P [mm]
  rect 1.9x2.4 smd: 1(-2.05,0) 2(2.05,0)
  silkscreen extent -3.32,-1.6 3.32,1.6
SO-8 [mil]
  oval 80x28 smd: 1(0,0) 2(0,-50) 3(0,-100) 4(0,-150) 5(200,-150) 6(200,-100) 7(200,-50) 8(200,0)
  silkscreen extent 50,-175 150,25
SOIC-8_150mil [mm]
  oval 0.7x1.8 smd: 1(-1.905,-2.6) 2(-0.635,-2.6) 3(0.635,-2.6) 4(1.905,-2.6) 5(1.905,2.6) 6(0.635,2.6) 7(-0.635,2.6) 8(-1.905,2.6)
  silkscreen extent -2.9,-3.05 2.4,1.4
SOT-223 [mm]
  rect 2.2x1 smd: 1(3,-2.3) 2(3,0) 3(3,2.3)
  rect 2.2x3.5 smd: 2(-3,0)
  silkscreen extent -1.4,-3 1.4,3, body extent -3.49,-3.24 3.49,3.24, height 1.64
TSSOP14 [mm]
  oval 1.55x0.45 smd: 1(-2.875,1.95) 2(-2.875,1.3) 3(-2.875,0.65) 4(-2.875,0) 5(-2.875,-0.65) 6(-2.875,-1.3) 7(-2.875,-1.95) 8(2.875,-1.95) 9(2.875,-1.3) 10(2.875,-0.65) 11(2.875,0) 12(2.875,0.65) 13(2.875,1.3) 14(2.875,1.95)
  silkscreen extent -1.7,-2.55 1.7,2.55, body extent -2.25,-2.55 2.25,2.55, height 2.65

## Part data
C2_cdh1 C2_cdh2 C2_cdh3 C2_cdh4 C2_cdh5 C2_cdh6 C2_cdh7 C2_cdh8 C2_cdh9 C2_cdh10 C2_cdh11 C2_cdh12 C2_cdh13 C2_cdh14 C2_cdh15 C2_cdh16 C14 C21 C22 C23: library part "Cap Semi", "Capacitor (Semiconductor SIM Model"
C12 C13 C15 C16 C17: library part Cap, "Capacito"
C20: library part "3528 100uF (107) 10% 6.3V", "钽"
D10: "Typical INFRARED GaA"
D11: library part "SMA(DO-214AC) M7", "二"
D12: library part "SMA(DO-214AC) SS54", "二"
D13: library part "D Schottky", "Schottky Diode"
D14 D15: "Schottky Diode"
F10: library part "Fuse 1", "Fus"
F11 F12: library part "Fuse 2"
L1: library part Inductor, "Inducto"
P2: "Header, 4-"
P3: "Header, 4-Pin"
R3_cdh1 R3_cdh2 R3_cdh3 R3_cdh4 R3_cdh5 R3_cdh6 R3_cdh7 R3_cdh8 R3_cdh9 R3_cdh10 R3_cdh11 R3_cdh12 R3_cdh13 R3_cdh14 R3_cdh15 R3_cdh16 R4_cdh1 R4_cdh2 R4_cdh3 R4_cdh4 R4_cdh5 R4_cdh6 R4_cdh7 R4_cdh8 R4_cdh9 R4_cdh10 R4_cdh11 R4_cdh12 R4_cdh13 R4_cdh14 R4_cdh15 R4_cdh16 R6_cdh1 R6_cdh2 R6_cdh3 R6_cdh4 R6_cdh5 R6_cdh6 R6_cdh7 R6_cdh8 R6_cdh9 R6_cdh10 R6_cdh11 R6_cdh12 R6_cdh13 R6_cdh14 R6_cdh15 R6_cdh16 R12_cdh1 R12_cdh2 R12_cdh3 R12_cdh4 R12_cdh5 R12_cdh6 R12_cdh7 R12_cdh8 R12_cdh9 R12_cdh10 R12_cdh11 R12_cdh12 R12_cdh13 R12_cdh14 R12_cdh15 R12_cdh16 R13_cdh1 R13_cdh2 R13_cdh3 R13_cdh4 R13_cdh5 R13_cdh6 R13_cdh7 R13_cdh8 R13_cdh9 R13_cdh10 R13_cdh11 R13_cdh12 R13_cdh13 R13_cdh14 R13_cdh15 R13_cdh16 R14_cdh1 R14_cdh2 R14_cdh3 R14_cdh4 R14_cdh5 R14_cdh6 R14_cdh7 R14_cdh8 R14_cdh9 R14_cdh10 R14_cdh11 R14_cdh12 R14_cdh13 R14_cdh14 R14_cdh15 R14_cdh16 R16_cdh1 R16_cdh2 R16_cdh3 R16_cdh4 R16_cdh5 R16_cdh6 R16_cdh7 R16_cdh8 R16_cdh9 R16_cdh10 R16_cdh11 R16_cdh12 R16_cdh13 R16_cdh14 R16_cdh15 R16_cdh16 R18_cdh1 R18_cdh2 R18_cdh3 R18_cdh4 R18_cdh5 R18_cdh6 R18_cdh7 R18_cdh8 R18_cdh9 R18_cdh10 R18_cdh11 R18_cdh12 R18_cdh13 R18_cdh14 R18_cdh15 R18_cdh16 R20_cdh1 R20_cdh2 R20_cdh3 R20_cdh4 R20_cdh5 R20_cdh6 R20_cdh7 R20_cdh8 R20_cdh9 R20_cdh10 R20_cdh11 R20_cdh12 R20_cdh13 R20_cdh14 R20_cdh15 R20_cdh16 R22_cdh1 R22_cdh2 R22_cdh3 R22_cdh4 R22_cdh5 R22_cdh6 R22_cdh7 R22_cdh8 R22_cdh9 R22_cdh10 R22_cdh11 R22_cdh12 R22_cdh13 R22_cdh14 R22_cdh15 R22_cdh16 R24_cdh1 R24_cdh2 R24_cdh3 R24_cdh4 R24_cdh5 R24_cdh6 R24_cdh7 R24_cdh8 R24_cdh9 R24_cdh10 R24_cdh11 R24_cdh12 R24_cdh13 R24_cdh14 R24_cdh15 R24_cdh16 R26_cdh1 R26_cdh2 R26_cdh3 R26_cdh4 R26_cdh5 R26_cdh6 R26_cdh7 R26_cdh8 R26_cdh9 R26_cdh10 R26_cdh11 R26_cdh12 R26_cdh13 R26_cdh14 R26_cdh15 R26_cdh16: library part Res2, "Resisto"
U2: library part "SOT-223 AMS1117-3.3", "低压差线性Î"
U3_cdh1 U3_cdh2 U3_cdh3 U3_cdh4 U3_cdh5 U3_cdh6 U3_cdh7 U3_cdh8: "L"
U5_cdh1 U5_cdh2 U5_cdh3 U5_cdh4 U5_cdh5 U5_cdh6 U5_cdh7 U5_cdh8 U5_cdh9 U5_cdh10 U5_cdh11 U5_cdh12 U5_cdh13 U5_cdh14 U5_cdh15 U5_cdh16: "Header, 4-Pi"
U19_cdh1 U19_cdh2 U19_cdh3 U19_cdh4 U19_cdh5 U19_cdh6 U19_cdh7 U19_cdh8 U19_cdh9 U19_cdh10 U19_cdh11 U19_cdh12 U19_cdh13 U19_cdh14 U19_cdh15 U19_cdh16: library part TLC226
U26: "AR"
U27: library part CAN/SN65HVD230DR_[C12084], "CA"
U28: library part MP15
Y1: library part "SMD-5032_2P 8MHz 20ppm 20pF", "贴Æ"

## Free pads (board coordinates)
  rect 8x2.8 smd: 0(4.104,-32.527) 0(185.881,-32.487)
  round 3.1 hole 3: 3(12.497,-23) 3(94.985,-23.002) 3(177.497,-23)

## Via types
v1: diameter 0.6, hole 0.3, Top Layer to Bottom Layer, tented both sides, 158 vias
v2: diameter 0.6, hole 0.3, Top Layer to Bottom Layer, 47 vias
v3: diameter 0.5, hole 0.3, Top Layer to Bottom Layer, 15 vias
v4: diameter 1, hole 0.5, Top Layer to Bottom Layer, 1 vias

## Nets (pads, with @x,y where several pads share a name; then routed paths per layer and width w, separated by ;. In a path a pad name is that pad's centre, name@x,y a point inside that pad or via, vN(x,y) a via of type N, cw(c..) or ccw(c..) an arc to the next point about the centre after c; other vN are vias at no path point)
CAN_H: F11.1 P2.4 | length 7
  Top Layer w0.254: F11.1@83.505,-6.274 87.976,-6.274 P2.4@89.754,-4.496
CAN_L: F12.1 P2.3 | length 10.9
  Top Layer w0.254: F12.1@83.505,-2.261 91.465,-2.261 93.254,-4.049 P2.3@93.254,-4.496
CAN_RX: U26.44 U27.4 | length 54.6
  Top Layer w0.254: v2(9.017,-6.096) 9.931,-5.182 9.931,-1.676 10.363,-1.245 54.051,-1.245 54.458,-1.651 v1(54.458,-2.083)
  Bottom Layer w0.254: U26.44@6.845,-5.768 8.689,-5.768 v2(9.017,-6.096) ; v1(54.458,-2.083) U27.4@56.684,-2.083
CAN_TX: U26.45 U27.1 | length 58.8
  Top Layer w0.254: v2(9.017,-4.826) 9.017,-1.346 9.754,-0.61 54.737,-0.61 55.169,-1.041 v1(55.169,-5.893)
  Bottom Layer w0.254: U26.45@6.845,-5.268 8.575,-5.268 v2(9.017,-4.826) ; v1(55.169,-5.893) U27.1@56.684,-5.893
CDH1: R16_cdh1.2 R20_cdh1.2 U26.17 | length 99.4
  Bottom Layer w0.254: U26.17@16.145,-13.068 18.367,-13.068 20.97,-10.465 70.693,-10.465 72.725,-12.497 107.842,-12.497 109.612,-14.267 ; R16_cdh1.2@108.262,-15.807 109.085,-15.807 109.271,-15.621 109.271,-14.551 109.555,-14.267 109.612,-14.267 ; R20_cdh1.2@110.25,-14.267 109.612,-14.267
CDH2: R16_cdh2.2 R20_cdh2.2 U26.16 | length 108.3
  Bottom Layer w0.254: U26.16@17.945,-11.268 19.592,-11.268 20.802,-10.058 70.862,-10.058 72.894,-12.09 118.538,-12.09 R20_cdh2.2@120.714,-14.267 119.955,-14.267 119.671,-14.551 119.671,-15.621 119.485,-15.807 R16_cdh2.2@118.727,-15.807
CDH3: R16_cdh3.2 R20_cdh3.2 U26.15 | length 118.9
  Bottom Layer w0.254: U26.15@17.945,-10.768 19.517,-10.768 20.634,-9.652 71.03,-9.652 73.062,-11.684 128.673,-11.684 R20_cdh3.2@131.255,-14.267 130.555,-14.267 130.271,-14.551 130.271,-15.621 130.085,-15.807 R16_cdh3.2@129.268,-15.807
CDH4: R16_cdh4.2 R20_cdh4.2 U26.14 | length 129.7
  Bottom Layer w0.254: U26.14@17.945,-10.268 19.443,-10.268 20.465,-9.246 71.198,-9.246 73.23,-11.278 128.841,-11.278 130.815,-13.251 140.857,-13.251 R20_cdh4.2@141.873,-14.267 141.155,-14.267 140.871,-14.551 140.871,-15.621 140.685,-15.807 R16_cdh4.2@139.885,-15.807
CDH5: R16_cdh5.2 R20_cdh5.2 U26.11 | length 140.2
  Bottom Layer w0.254: U26.11@17.945,-8.768 71.296,-8.768 73.399,-10.871 129.009,-10.871 130.983,-12.845 141.025,-12.845 141.465,-13.284 151.558,-13.284 R20_cdh5.2@152.541,-14.267 151.629,-14.267 151.511,-14.385 151.511,-15.621 151.325,-15.807 R16_cdh5.2@150.553,-15.807
CDH6: R16_cdh6.2 R20_cdh6.2 U26.10 | length 151
  Bottom Layer w0.254: U26.10@17.945,-8.268 71.37,-8.268 73.567,-10.465 129.178,-10.465 131.151,-12.438 141.194,-12.438 141.633,-12.878 151.726,-12.878 152.133,-13.284 162.175,-13.284 R20_cdh6.2@163.158,-14.267 162.339,-14.267 162.154,-14.453 162.154,-15.672 162.019,-15.807 R16_cdh6.2@161.17,-15.807
CDH7: R16_cdh7.2 R20_cdh7.2 U26.9 | length 161.8
  Bottom Layer w0.254: U26.9@17.871,-7.768 71.445,-7.768 73.735,-10.058 129.346,-10.058 131.32,-12.032 141.362,-12.032 141.801,-12.471 151.895,-12.471 152.301,-12.878 172.335,-12.878 R20_cdh7.2@173.724,-14.267 172.982,-14.267 172.72,-14.529 172.72,-15.545 172.458,-15.807 R16_cdh7.2@171.737,-15.807
CDH8: R16_cdh8.2 R20_cdh8.2 U26.8 | length 168.5
  Bottom Layer w0.254: U26.8@17.945,-7.268 71.52,-7.268 73.904,-9.652 129.514,-9.652 131.488,-11.626 141.53,-11.626 141.97,-12.065 152.063,-12.065 152.469,-12.471 178.494,-12.471 R20_cdh8.2@180.289,-14.267 181.069,-14.267 181.229,-14.427 181.229,-15.621 181.415,-15.807 R16_cdh8.2@182.22,-15.807
CDH9: R16_cdh9.2 R20_cdh9.2 U26.20 | length 86.6
  Bottom Layer w0.254: U26.20@14.645,-13.068 14.645,-14.137 15.011,-14.503 17.507,-14.503 21.139,-10.871 70.525,-10.871 72.557,-12.903 92.489,-12.903 R20_cdh9.2@93.838,-14.251 ; R16_cdh9.2@91.865,-15.807 92.681,-15.807 92.837,-15.651 92.837,-14.505 93.091,-14.251 R20_cdh9.2@93.838,-14.251 ; R20_cdh9.2@93.853,-14.267 R20_cdh9.2@93.838,-14.251
CDH10: R16_cdh10.2 R20_cdh10.2 U26.21 | length 76.7
  Bottom Layer w0.254: U26.21@14.145,-13.068 14.145,-14.247 14.808,-14.91 17.675,-14.91 21.307,-11.278 70.357,-11.278 72.389,-13.31 82.332,-13.31 R20_cdh10.2@83.289,-14.267 82.408,-14.267 82.271,-14.403 82.271,-15.676 82.14,-15.807 R16_cdh10.2@81.301,-15.807
CDH11: R16_cdh11.2 R20_cdh11.2 U26.22 | length 66.6
  Bottom Layer w0.254: U26.22@13.645,-13.068 13.645,-14.322 14.64,-15.316 17.843,-15.316 21.475,-11.684 70.188,-11.684 R20_cdh11.2@72.796,-14.292 72.168,-14.292 71.871,-14.589 71.871,-15.662 71.701,-15.832 R16_cdh11.2@70.815,-15.832
CDH12: R16_cdh12.2 R20_cdh12.2 U26.23 | length 56.7
  Bottom Layer w0.254: U26.23@13.145,-13.068 13.145,-14.396 14.472,-15.723 18.012,-15.723 21.644,-12.09 60.155,-12.09 R20_cdh12.2@62.357,-14.292 61.628,-14.292 61.392,-14.529 61.392,-15.57 61.13,-15.832 R16_cdh12.2@60.376,-15.832
CDH13: R16_cdh13.2 R20_cdh13.2 U26.24 | length 46.9
  Bottom Layer w0.254: U26.24@12.645,-13.068 12.645,-14.471 14.303,-16.129 18.18,-16.129 21.812,-12.497 50.124,-12.497 R20_cdh13.2@51.894,-14.267 51.011,-14.267 50.927,-14.351 50.927,-15.494 50.614,-15.807 R16_cdh13.2@49.907,-15.807
CDH14: R16_cdh14.2 R20_cdh14.2 U26.25 | length 37.4
  Bottom Layer w0.254: U26.25@12.145,-13.068 12.145,-14.546 14.135,-16.535 18.348,-16.535 21.98,-12.903 40.894,-12.903 41.455,-13.464 R20_cdh14.2@41.455,-14.267 40.724,-14.267 40.386,-14.605 40.386,-15.621 40.2,-15.807 R16_cdh14.2@39.467,-15.807
CDH15: R16_cdh15.2 R20_cdh15.2 U26.26 | length 27.6
  Bottom Layer w0.254: U26.26@11.645,-13.068 11.645,-14.62 13.967,-16.942 18.517,-16.942 22.149,-13.31 30.886,-13.31 31.066,-13.49 R20_cdh15.2@31.066,-14.267 30.31,-14.267 30.099,-14.478 30.099,-15.621 29.913,-15.807 R16_cdh15.2@29.079,-15.807
CDH16: R16_cdh16.2 R20_cdh16.2 U26.27 | length 11.6
  Bottom Layer w0.254: R16_cdh16.2@5.309,-15.705 7.349,-15.705 7.544,-15.9 7.544,-16.332 7.823,-16.612 8.865,-16.612 9.144,-16.891 9.144,-17.475 9.318,-17.649 R20_cdh16.2@10.058,-17.649 10.773,-17.649 11.145,-17.277 U26.27@11.145,-13.068